# KiCad board data-center-rdimm-ddr4-tester.kicad_pcb (continued)
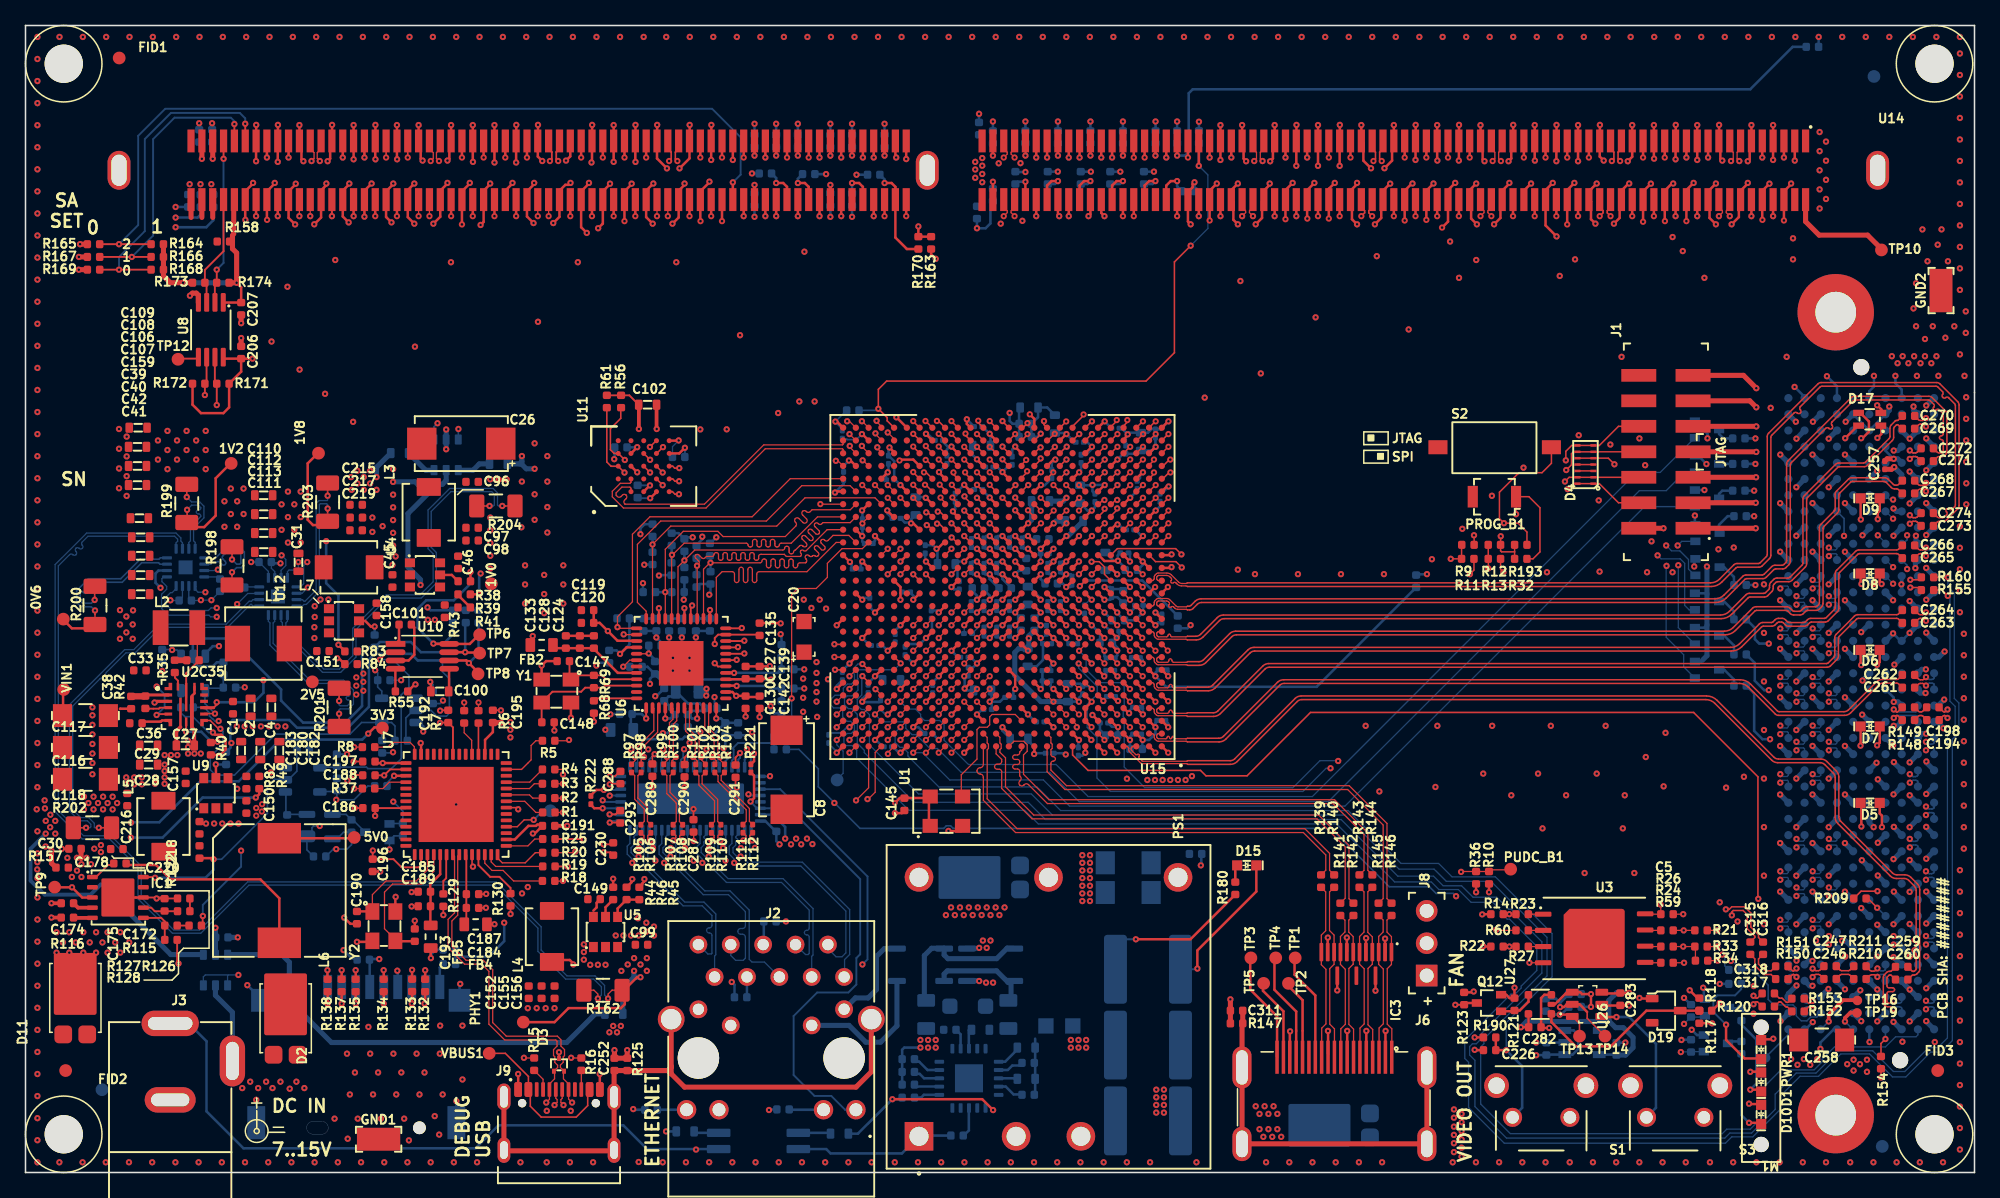
[diagram p0: board, top side]
## Routing (per net, layer and track width the routed paths; a pad name or vN(x,y) marks a point on that pad's centre or on a via; arc(x,y) is an arc through that point) (continued)
  Top w0.25: 10.29,36.95 10.3,36.97 11.2,36.97
  Top w0.3: C27.2 13.24,34.73 13.05,34.91 13.05,37.3 ; R116.1 v1(2.04,20) ; C191.2 v1(42.5,27.2) ; C102.2 49.5,58.35 ; C174.1 v1(2.04,21.13)
  Top w0.4: v1(16.92,66.64) C207.2 ; v1(12.9,68.8) 13.1,69 13.4,69 13.56,68.84 13.56,68.26 ; 145.85,55.82 146.03,56 v1(146.55,56) ; v1(94.51,13.58) C311.2 R147.1 ; R169.2 v1(4.18,70.84) ; v1(135.77,60.04) 135.26,60.55 J1.11 ; J1.1 v1(135.72,50.55) ; v1(47.2,9.6) R125.1 46.2,8.97 v1(46.2,9.6) ; J1.9 135.76,58.55 v1(135.77,58.54) ; J1.3 v1(135.72,52.55) ; J1.7 135.76,56.55 v1(135.77,56.54) ; v1(135.77,61.54) 134.76,62.55 J1.13 ; R165.2 v1(4.28,72.84) ; v1(16.92,65.48) 16.92,64.83 ; J1.5 v1(135.75,54.55) ; R167.2 v1(4.19,71.84)
  Bottom w0.1: v1(14.11,45.53) 13.54,45.53 13.34,45.73 13.34,45.99 13.31,46.02 ; 75.19,44.76 75.37,44.94 v1(75.64,44.94) ; v1(20.09,48.43) 20.42,48.09 20.42,47.63 20.05,47.26 20.05,46.66 ; v1(80.64,44.94) 80.37,44.94 80.19,44.76 ; v1(74.64,43.94) 74.37,43.94 74.19,44.12 ; v1(65.64,36.94) 65.68,36.94 ; 81.87,41.49 81.64,41.72 v1(81.64,41.94) ; 75.19,42.76 75.37,42.94 v1(75.64,42.94) ; 14.02,47.23 15.02,47.23 v1(15.09,47.3) ; 81.19,44.12 81.37,43.94 v1(81.64,43.94) ; C235.2 19.05,47.17 19.05,46.66 ; 47.41,31.8 47.39,31.82 47.39,32.78 47.53,32.91 v1(47.53,33.2) ; U16.6 49.89,31.82 49.89,32.79 50.03,32.92 v1(50.03,33.2) ; 18.34,45.45 18.32,45.43 17.43,45.43 v1(16.6,44.6) ; 83.1,44.55 83.49,44.94 v1(83.64,44.94) ; v1(49.22,25.47) 49.43,25.68 49.43,26.83 49.41,26.85 ; 79.82,41.49 79.64,41.67 v1(79.64,41.94) 79.79,41.94 80.09,42.24 ; v1(76.64,41.94) 76.37,41.94 76.19,42.12 ; 51.91,26.85 51.93,26.83 51.93,25.68 v1(51.72,25.47) ; 54.91,26.85 54.93,26.83 54.93,25.68 v1(54.72,25.47) ; v1(51.24,57.44) 50.75,56.95 C103.2 ; 76.19,44.12 76.37,43.94 v1(76.64,43.94) ; 77.19,44.76 77.37,44.94 v1(77.64,44.94) ; v1(11.37,44.9) 11.39,44.88 12.05,44.88 12.31,45.14 12.31,46.02 ; C7.2 77.69,42.94 v1(77.64,42.94) 77.37,42.94 77.19,42.76 ; v1(53.43,33.2) 53.43,31.81 U16.13 ; v1(73.64,42.94) 73.64,42.31
  Bottom w0.12: Q11.2 v1(28.55,25.35)
  Bottom w0.127: R216.2 17.17,38.05 v1(17.2,38.08) ; R212.1 21.24,26.38 22.07,26.38 ; R215.1 31.96,38.29 v1(31.75,38.5) ; v1(28.83,32.98) 28.78,32.92 R217.2 ; C233.2 22.07,25.31 22.07,26.38 ; v1(25.22,32.83) 25.22,32.83 R213.2 ; 22.07,26.38 22.47,26.78 22.47,27.05 22.61,27.19 v1(23.08,27.19) ; v1(25.25,30.75) 25.06,30.94 24.43,30.94 ; R214.1 v1(10.72,39.35) ; R124.1 28.91,26.42 Q11.2 ; v1(28.91,31.13) 28.36,30.58 C232.2 ; 13.16,36.5 14,36.5 14.43,36.07 14.43,35.83 14.65,35.61 14.68,35.61 14.86,35.42 v1(15.15,35.42) ; v1(65.61,57.94) 65.18,57.51 64.46,57.51 64.41,57.55 64.1,57.55 64.07,57.58 ; 28.59,38.63 v1(29.46,38.63)
  Bottom w0.15: v1(48.98,53.91) 48.05,53.91 ; v1(51.66,33.21) 51.59,33.14 51.59,32.56 51.41,32.38 U16.9 ; U16.53 45.84,29.58 v1(45.83,29.57) ; v1(45.83,30.46) 45.95,30.58 U16.55 ; v1(45.83,27.46) 45.95,27.58 U16.49 ; 56.82,29.57 v1(56.71,29.67) 56.81,29.58 U16.24 ; 54.24,36.42 54.05,36.61 v1(54.05,37.3) ; v1(56.6,33.22) 56.6,32.6 56.41,32.41 U16.19 ; U16.16 54.91,32.29 55.1,32.48 v1(55.1,32.77) ; 65.67,36.91 v1(65.64,36.94) ; U16.21 58.38,31.08 v1(58.4,31.1) ; v1(63.64,32.94) 63.64,33.01 63.02,33.63 63.02,33.7
  Bottom w0.2: R94.2 49.86,41.6 v1(49.49,41.98) 49.49,42.49 48.49,42.49 ; v1(44.79,39.78) 45.01,39.99 45.79,39.99 ; 53.69,42.49 52.59,42.49 v1(52.59,41.98) ; 51.49,42.49 v1(51.49,41.98) ; 50.49,42.49 v1(50.49,41.98) ; 61.94,78.34 v1(62.8,78.34) ; v1(90.34,82.47) C153.2 ; v1(88.52,78.53) 87.76,78.53 ; Q10.2 131.94,57.96 v1(131.94,57.61) ; C121.2 49.49,37.37 v1(49.4,37.37) ; Q2.2 131.45,40.1 131.55,40.2 ; v1(51.64,44.94) 51.67,44.97 R92.2 ; J5.D22 146.55,37.26 v1(146.55,36.92) ; v1(70.62,52.94) 70.56,53 C6.2 ; v1(46.18,55.97) 46.22,56.01 C105.2 ; v1(88.64,43.94) 88.79,43.79 89.14,43.79 ; 67.7,55.61 67.7,55 v1(67.64,54.94) 67.5,54.81 67.5,54.35 ; v1(79.64,44.94) 79.64,45.04 78.7,45.97 C22.2 ; R90.2 52.88,46.17 R91.2 53.74,45.44 v1(53.64,45.34) ; v1(71.64,38.94) 71.16,38.46 71.16,38.25 ; 82.09,46.76 82.09,46.84 81.99,46.94 v1(81.64,46.94) 81.39,46.94 81.19,47.14 81.19,47.14 ; v1(59.24,42.24) 59.31,42.17 R96.2 ; 68,51.33 67.6,51.73 v1(67.6,51.95) ; 75.79,36.33 75.79,36.79 v1(75.64,36.94) ; J5.C40 147.18,61.44 146.68,61.93 v1(146.68,62.51) ; v1(65.64,36.94) 65.64,37.17 66.1,37.63 ; v1(77.2,59.6) 77.2,58.97 77.43,58.75 C146.2 ; v1(87.64,47.94) 87.64,47.68 87.24,47.28 ; 78.19,49.12 78.19,49.09 78.34,48.94 v1(78.64,48.94) ; v1(83.7,53.95) 83.68,53.92 C80.2 ; v1(83.7,53.95) 83.7,53.45 83.89,53.26 ; v1(83.7,53.95) 84.65,53.95 v1(84.66,53.94) ; v1(66.64,43.94) 66.22,44.35 66.22,44.45 ; v1(57,34.55) 56.76,34.31 C140.2 C137.2 54.9,33.45 v1(54.75,33.3) ; C15.2 77.24,34.06 76.64,34.66 v1(76.64,34.94) ; v1(131.86,55.59) 131.2,56.25 Q9.2 ; 14.74,75.75 14.74,74.72 14.19,74.17 v1(11.78,74.17) ; C114.2 82.75,38.35 82.93,38.17 83.41,38.17 v1(83.64,37.94) ; Q1.2 v1(131.7,53.55) ; 65.83,49.35 65.8,49.35 65.64,49.51 v1(65.64,49.94) 65.65,49.95 65.65,50.63 ; v1(83.57,78.53) 82.81,78.53 ; v1(130.9,47.55) 130.9,48.1 130.95,48.15 ; v1(130.7,11.2) 131.12,10.78 131.65,10.78 ; v1(66.64,33.94) 66.71,33.94 67.25,33.4 67.33,33.4 ; v1(81.6,32.8) 81.5,32.9 80.66,32.9 ; 65.52,47.35 65.52,47.82 v1(65.64,47.94) ; 76.19,49.12 76.19,49.04 76.29,48.94 v1(76.64,48.94) ; 140.66,88.32 140.66,89.1 v1(140.66,89.1) ; v1(79.64,37.94) 79.78,38.08 C86.2 79.77,38.58 79.77,39.38 ; v1(89.64,38.94) 89.64,39.31 89.52,39.43 89.52,39.45 ; C165.2 v1(67.39,82.29) ; 142.09,11.23 141.84,11.23 140.8,10.2 v1(140.8,9.7) ; v1(69.64,44.94) 69.65,44.95 69.65,45.25 69.4,45.5 69.4,45.55 ; v1(86.64,39.94) 86.64,40.26 86.78,40.4 86.78,40.4 ; 63.14,75.85 v1(63.14,74.99) ; C10.2 25.91,16.8 25.6,16.8 v1(24.95,17.45) ; 77.4,55.53 77.21,55.53 v1(76.64,54.96) 76.25,55.35 75.92,55.35 ; 67.07,37.05 66.93,36.91 65.67,36.91 ; C81.2 75.7,57.9 v1(75.64,57.96) 75.07,58.53 C74.2 ; 82.59,32.71 82.91,32.71 v1(83.14,32.94) ; 86.88,34.4 86.85,34.4 86.64,34.19 v1(86.64,33.94) 86.64,33.94 C256.2 ; 69,41.25 69.22,41.47 70.17,41.47 v1(70.64,41.94) 71.11,42.41 71.11,43.4 71.05,43.45 ; v1(92.2,24.1) 92.24,24.14 92.24,24.9 ; 82.8,56.32 83.19,56.32 83.66,56.78 v1(83.66,56.94) 83.3,57.3 83.02,57.3 ; R89.2 51.69,45.55 ; v1(86.46,57.92) 85.98,58.4 85.82,58.4 ; v1(86.46,57.92) 86.31,57.77 86.31,57.03 ; v1(86.46,57.92) 86.59,58.05 C24.2 88.05,58.05 88.35,58.35 88.6,58.35 88.64,58.31 89.03,58.31 v1(89.66,58.94) ; v1(79.64,47.94) 79.63,47.95 79.63,48.45 ; C16.2 80.28,49.59 v1(79.64,48.94) ; Q4.2 131.7,42.75 131.9,42.95 ; v1(75.64,36.94) 76.44,36.94 76.78,37.28 C310.2 ; v1(75.64,36.94) 75.78,37.08 75.78,37.83 ; v1(55.4,14.95) 55.62,14.73 C221.2 ; v1(74.8,83.07) 74.8,83.07 C204.2 ; 75.19,49.76 75.19,49.76 75.36,49.94 v1(75.64,49.94) ; 75.19,47.76 75.37,47.94 v1(75.64,47.94) ; 87.2,54.27 87.43,54.5 87.43,54.71 v1(87.66,54.94) ; v1(59.15,25.75) 58.9,26 58.9,26.77 58.84,26.77 58.03,27.58 U16.28 ; v1(88.65,82.47) C154.2 ; C146.2 77.94,59.94 R66.2 ; C146.2 C18.2 ; C312.2 v1(59.65,19.7) ; 143.37,59.5 J5.E38 J5.D39 145.91,59.5 ; 74.42,53.59 74.01,53.59 v1(73.64,53.96) 72.95,53.27 72.93,53.27 ; 79.98,46.21 79.98,46.22 79.64,46.56 v1(79.64,46.94) ; R93.2 48.55,47.7 v1(48.54,47.69) ; v1(49.69,46.84) 49.72,46.87 R77.2 ; v1(84.64,45.94) 85.08,45.94 85.2,45.82 85.2,45.78 85.97,45.78 86.1,45.66 ; v1(88.66,51.94) 89,52.28 89,52.63 ; 74.19,47.12 74.19,47.06 74.31,46.94 v1(74.64,46.94) ; v1(15.17,41.3) 14.69,41.3 14.11,40.72 14.11,40.51 ; v1(52.94,34.55) 52.4,34.55 51.99,34.97 51.95,34.97 ; C144.2 77.91,47.22 v1(77.64,46.94) ; 34.05,13.5 34.05,14.75 v1(34.1,14.8) ; v1(91.7,77.7) 91.7,77.02 C211.2 ; 73.25,45.75 72.82,45.75 v1(72.64,45.94) ; 68.22,41.61 68.22,41.53 v1(67.64,40.94) 67.23,41.35 66.97,41.35 ; 30.65,35.31 30.89,35.31 31.2,35 v1(31.2,34.6) ; 139.56,11.23 139.63,11.23 v1(140.2,11.8) ; Q3.2 131.85,45.45 131.9,45.4 ; 86.33,50.42 86.18,50.42 85.75,50.85 v1(85.66,50.85) ; 77.19,49.76 77.19,49.79 77.34,49.94 v1(77.64,49.94) ; 50.93,34.97 50.84,34.97 50.35,34.47 v1(50,34.47) ; v1(86.57,36.04) 86.57,36.22 86.85,36.5 86.88,36.5 ; 131.65,13.44 131.65,14.45 v1(131.6,14.5) ; v1(146.55,56) 146.54,56 145.91,56.63 145.91,56.95 ; C167.2 v1(63.14,82.29) ; 89.42,35.47 89.42,35.43 89.64,35.21 v1(89.64,34.94) ; 74.64,74.84 v1(74.64,74.09) 75.32,74.09 75.69,74.47 75.69,76.02 C208.2 ; v1(86.64,47.94) 86.64,48.54 86.55,48.62 C300.2 ; v1(74.64,48.94) 74.36,48.94 74.23,49.07 74.2,49.07 ; C169.2 v1(58.89,82.29) ; v1(80.64,47.94) 80.36,47.94 80.19,47.76 80.19,47.76 ; v1(80.78,55.94) 80.5,55.66 80.5,55.12 ; 75.24,45.85 75.24,45.67 75.64,45.26 v1(75.64,44.94) ; 13.74,75.75 13.74,75.17 13.5,74.93 v1(11.78,74.93) ; C231.2 71.19,49.22 v1(71.47,48.94) 71.54,48.87 C23.2 ; C181.2 v1(65.19,78.29) ; R185.1 v1(92.05,82.45) ; C309.2 74.15,40.42 v1(74.64,39.94) 74.32,39.62 73.95,39.62 ; C173.2 v1(56.99,78.39) ; C281.2 125.49,10.19 v1(125.5,10.2) ; R95.2 58.72,36.03 58.45,36.3 v1(58.45,36.6) ; v1(147.8,42.34) 147.18,41.72 147.09,41.72 v1(146.5,42.3) ; 84.92,35.28 85.22,34.97 85.68,34.97 v1(85.7,34.95) 85.69,34.94 C245.2 ; v1(78.44,78.51) 77.68,78.51 ; R184.2 v1(50.25,3.22) ; 71.97,57.45 71.97,57.33 72.34,56.96 v1(72.64,56.96) 72.51,56.96 72.28,56.72 72.28,56.25 ; 18.1,3.9 v1(18.1,5.7) ; v1(80.99,82.47) C162.2 ; v1(63.5,53.36) 64.18,54.03 64.18,54.33 ; J5.J40 139.56,60.86 v1(138.77,61.64) ; 76.19,47.12 76.19,47.05 76.3,46.94 v1(76.64,46.94) 76.64,46.56 77.34,45.86 77.34,45.85 ; v1(85.64,46.94) 85.33,47.25 84.71,47.25 ; 109.12,46.94 109.92,46.94 v1(109.93,46.95) ; v1(64.64,39.94) 64.07,39.38 C87.2 ; v1(85.66,38.93) 85.41,39.18 85.41,39.4 ; v1(86.09,82.47) C160.2 ; 87.03,44.5 87.03,44.33 v1(86.64,43.94) ; v1(45.88,35.95) 45.9,35.97 C132.2 ; 81.58,52.86 v1(81.66,52.94) ; v1(130.95,51.55) 130.95,50.83 ; v1(19.25,31.4) 19.65,31.8 20.42,31.8 ; 12.76,75.76 11.78,75.76 v1(11.78,75.76) ; 29.2,14.55 29.2,15.8 v1(29.17,15.83) ; 79.82,41.49 79.82,40.22 79.31,39.71 C25.2 ; v1(78.44,82.47) C163.2 ; C170.2 v1(57.19,82.29) ; v1(80.64,34.94) 80.22,35.36 79.92,35.36 ; v1(17.4,14.7) 18.55,13.55 18.55,13.5 ; 85.79,42.47 85.79,42.14 85.26,41.61 C13.2 85.64,41.2 v1(85.64,40.94) 85.64,40.56 85.45,40.38 85.44,40.38 ; 33.8,3.9 v1(33.8,5.6) ; v1(145,62.51) 145,61.67 144.63,61.31 J5.E40 ; v1(79.64,43.94) 79.2,43.5 79.14,43.5 ; 64.84,75.85 v1(64.84,74.99) ; 120.75,10.2 119.31,10.2 C280.2 118.51,10.19 v1(118.5,10.2) ; C168.2 v1(60.59,82.29) ; v1(17.7,47.9) C235.2 ; C3.2 v1(68.64,37.94) ; J5.G40 142.09,61.69 v1(141.31,62.48) ; v1(75.89,82.47) C164.2 ; C199.2 v1(14.64,82.33) ; 144.63,11.23 144.63,10.25 v1(144.65,10.24) ; C200.2 v1(13.63,82.33) ; 70.53,34.44 70.53,34.45 70.04,34.94 v1(69.64,34.94) ; v1(85.7,37) 85.7,37.12 85.47,37.35 ; 133.62,14.8 v1(132.9,14.8) ; v1(83.54,82.47) C161.2 ; C166.2 v1(64.84,82.29) ; v1(80.98,78.53) 80.22,78.53 ; 57.19,75.85 v1(57.19,74.99) ; v1(85.88,78.53) 85.12,78.53
  Bottom w0.3: J5.C28 147.18,46.12 v1(147.15,46.15) 147.18,46.17 147.18,46.8
  Bottom w0.4: v1(140.18,48.71) 140.82,48.06 ; v1(149.1,14.46) 149.69,15.05 J5.A4 ; 147.18,51.88 146.76,51.88 v1(146.53,52.1) ; v1(147.8,22.02) 148.44,22.67 ; v1(137.64,44.9) 138.28,44.25 ; v1(138.91,19.48) J5.J8 ; v1(147.8,44.84) 148.38,44.25 148.44,44.25 ; J5.C5 147.12,16.31 v1(146.53,16.9) ; 138.28,17.58 138.93,16.94 v1(138.93,16.62) ; J5.E5 v1(145.26,16.94) 145.91,17.58 ; J5.E14 144.63,27.44 v1(144.97,27.1) ; J5.A5 149.1,16.93 v1(149.1,16.96) ; 147.18,21.39 146.56,22.01 v1(146.56,22.04) ; 148.44,23.94 148.38,23.94 v1(147.8,24.52) ; v1(140.18,33.47) 140.82,32.83 ; v1(145.26,11.86) J5.D2 ; v1(142.72,25.85) 143.37,25.2 ; v1(141.45,34.72) J5.G20 ; 148.44,48.06 148.25,47.87 v1(148.25,47.42) ; v1(138.91,53.77) 139.56,54.42 ; v1(148.1,60.1) 148.1,59.84 148.44,59.5 ; v1(146.56,27.12) 146.56,27.09 147.18,26.47 ; v1(140.45,18.2) 140.45,17.96 140.82,17.58 ; v1(142.72,41.09) 143.37,40.44 ; 131.55,40.2 131.9,40.55 v1(131.9,47.55) ; v1(144.97,46.17) 144.63,46.52 144.63,46.8 ; 149.71,31.56 149.11,32.16 v1(149.11,32.25) ; J5.C38 147.18,58.2 v1(147.8,57.58) 148.44,58.22 ; v1(141.45,53.77) 142.09,54.42 ; 148.44,39.17 148.75,39.48 v1(149.07,39.48) ; J5.A8 149.69,20.12 v1(149.1,19.54) ; J5.A28 149.69,45.53 v1(149.1,44.94) ; v1(138.91,49.96) J5.J32 ; v1(141.45,19.48) J5.G8 ; v1(149.1,22.04) 149.1,22.01 149.71,21.39 ; v1(145.3,25.88) 145.9,26.47 145.91,26.47 ; v1(146.56,32.2) 146.56,32.17 147.18,31.56 ; v1(147.8,32.18) 148.44,32.83 ; 147.18,11.23 147.12,11.23 v1(146.53,11.82) ; v1(138.91,27.1) J5.J14 ; 148.44,54.42 148.38,54.42 v1(147.8,55) ; v1(147.8,19.5) 148.44,18.86 ; J5.E11 144.62,23.94 v1(144.05,24.5) ; v1(145.3,30.85) 145.87,30.28 J5.D16 ; v1(138.93,14.67) 138.28,14.03 138.28,13.78 ; v1(146.53,19.48) J5.C8 ; 149.71,36.64 150.03,36.64 v1(150.51,37.11) ; v1(33,56.75) v1(33,58.3) ; v1(146.5,42.3) 145.91,41.72 145.91,41.72 ; 149.71,11.23 149.1,11.85 v1(149.1,11.88) ; v1(137.64,41.09) 138.28,40.44 ; 149.71,26.47 149.1,27.09 v1(149.1,27.12) ; 145.91,13.78 145.84,13.78 v1(145.26,14.36) 144.63,14.98 J5.E4 ; v1(146.5,44.9) 145.91,45.5 J5.D28 ; v1(137.67,11.88) 138.28,12.5 138.28,12.5 ; v1(145.2,32.15) 144.63,31.58 144.63,31.56 ; 137.64,56.33 138.28,55.69 ; v1(142.72,37.28) 143.37,36.64 ; v1(137.64,29.66) 138.28,29.02 ; J5.C36 146.86,56 v1(146.55,56) ; J5.A12 149.69,25.2 v1(149.1,24.62) ; v1(147.8,27.1) 148.44,27.75 ; v1(145.3,23.3) 145.91,22.69 J5.D10 ; v1(149.1,42.36) 149.1,42.33 149.71,41.72 ; v1(137.64,22.04) 138.28,21.39 ; v1(141.45,30.91) 142.09,31.56 ; J5.A16 149.69,30.28 v1(149.1,29.7) ; v1(147.8,29.6) 148.38,29.02 148.44,29.02 ; v1(142.72,52.52) 143.37,51.88 ; v1(146.55,36.92) 146.88,36.92 147.18,36.64 ; v1(138.91,34.72) J5.J20 ; v1(138.91,38.53) 139.56,39.17 ; v1(142.72,33.47) 143.37,32.83 ; J5.C20 146.86,35.05 v1(146.55,35.05) ; C284.2 30.56,54.2 28.85,54.2 v1(28.84,54.19) ; v1(144,20.75) 144.62,20.12 J5.E8 ; v1(149.1,55.1) 149.69,55.69 J5.A36 ; v1(140.18,22.04) 140.82,21.39 ; v1(147.8,42.34) 148.44,42.98 ; 138.28,59.5 v1(138.87,58.91) ; R64.2 81.4,52.68 v1(81.66,52.94) ; 143.37,59.5 v1(142.78,58.91) ; v1(137.64,48.71) 138.28,48.06 ; J5.C16 146.56,29.67 v1(146.53,29.67) ; J5.A40 149.69,60.77 v1(149.1,60.18) ; v1(140.18,14.65) 139.95,14.65 J5.J4 ; J5.C24 147.18,40.42 v1(146.6,39.85) ; v1(141.45,42.34) J5.G26 ; v1(144.1,50) 144.63,50.54 J5.E32 ; J5.C12 146.56,24.59 v1(146.53,24.59) ; v1(145.26,19.44) 145.84,18.86 J5.D7 ; v1(149.1,57.6) 149.1,57.57 149.71,56.95 ; v1(150.45,34.86) 149.94,35.36 J5.A20 ; v1(145.25,55.05) 144.63,54.44 144.63,54.42 ; J5.J5 139.84,16.6 v1(140.18,16.6) ; v1(141.45,49.96) J5.G32 ; v1(149.09,34.43) 148.78,34.43 148.44,34.09 ; v1(146.53,49.96) J5.C32 ; v1(142.72,29.66) 143.37,29.02 ; v1(142.72,22.04) 143.37,21.39 ; 138.91,57.58 J5.J38 ; v1(144.1,38.6) 144.63,39.14 144.63,39.17 ; v1(144,42.4) 144.59,42.98 J5.E26 ; v1(137.64,37.28) 138.28,36.64 ; v1(141.45,57.58) J5.G38 ; v1(149.1,52.52) 149.1,52.49 149.71,51.88 ; v1(140.18,29.66) 140.82,29.02 ; J5.G4 142.09,15 v1(142.72,14.38) ; v1(138.91,30.91) 139.56,31.56 ; v1(141.45,46.15) 142.09,46.8 ; v1(140.18,25.85) 140.82,25.2 ; J5.D19 145.93,34.09 v1(146.5,33.53) ; v1(140.21,58.91) 140.79,59.5 140.82,59.5 ; v1(149.1,50.02) 149.69,50.61 J5.A32 ; J5.E20 v1(144.07,35.92) ; v1(140.18,44.9) 140.82,44.25 ; v1(137.64,25.85) 138.28,25.2 ; v1(147.8,11.86) 148.44,12.5 ; v1(142.72,48.71) 143.37,48.06 ; v1(148.29,49.96) 148.29,49.49 148.44,49.33 ; 143.37,17.58 142.77,18.18 v1(142.5,18.18) ; C285.2 v1(16.65,18.45) ; v1(138.91,23.29) J5.J11 ; 148.44,37.91 148.44,37.81 148.63,37.62 v1(149.04,37.62) ; 142.12,16.31 v1(142.75,16.94) ; 148.44,13.78 148.38,13.78 v1(147.8,14.36) 147.18,14.98 J5.C4 ; v1(140.18,52.52) 140.82,51.88 ; v1(140.18,41.09) 140.82,40.44 ; J5.A24 150.11,40.44 v1(150.54,40.88) ; v1(144,11.88) 143.37,12.5 143.37,12.5 ; v1(142.72,56.33) 143.37,55.69 ; v1(141.43,14.4) 140.82,13.8 140.82,13.78 ; v1(146.2,60.1) 146.2,59.8 145.91,59.5 ; 143.37,13.78 143.4,13.78 v1(143.93,14.3) ; v1(149.1,47.44) 149.1,47.41 149.71,46.8 ; v1(147.8,52.5) 148.44,53.14 ; v1(140.18,56.33) 140.82,55.69 ; v1(138.91,42.34) J5.J26 ; v1(147.8,16.94) 148.44,17.58 ; v1(138.91,46.15) 139.56,46.8 ; v1(140.18,37.28) 140.82,36.64 ; v1(137.64,33.47) 138.28,32.83 ; v1(137.64,52.52) 138.28,51.88 ; v1(141.45,27.1) J5.G14 ; v1(142.72,44.9) 143.37,44.25 ; 14.9,14.7 14.9,13.9 16.23,12.57 16.23,8.75 ; v1(141.45,23.29) J5.G11 ; v1(141.45,38.53) 142.09,39.17
  vias: v1(0.94,89.1) v1(0.94,87.37) v1(0.94,85.64) v1(0.94,83.91) v1(0.94,82.18) v1(0.94,80.45) v1(0.94,78.71) v1(0.94,76.98) v1(0.94,75.25) v1(0.94,73.52) v1(0.94,71.79) v1(0.94,70.06) v1(0.94,68.33) v1(0.94,66.6) v1(0.94,64.86) v1(0.94,63.13) v1(0.94,61.4) v1(0.94,59.67) v1(0.94,57.94) v1(0.94,56.21) v1(0.94,54.48) v1(0.94,52.74) v1(0.94,51.01) v1(0.94,49.28) v1(0.94,47.55) v1(0.94,45.82) v1(0.94,44.09) v1(0.94,42.36) v1(0.94,40.62) v1(0.94,38.89) v1(0.94,37.16) v1(0.94,35.43) v1(0.94,33.7) v1(0.94,31.97) v1(0.94,30.24) v1(0.88,28.5) v1(0.94,26.77) v1(0.94,25.04) v1(0.94,23.11) v1(0.94,21.58) v1(0.94,19.85) v1(0.94,18.12) v1(0.94,16.39) v1(0.94,14.65) v1(0.94,12.92) v1(0.94,11.19) v1(0.94,9.46) v1(0.94,7.73) v1(0.94,6) v1(0.94,4.27) v1(0.94,2.53) v1(0.94,0.8) v1(2.67,89.1) v1(2.66,0.8) v1(4.5,89.1) v1(4.48,0.8) v1(5.25,36.5) v1(5.25,35.88) v1(5.25,35.12) v1(5.25,34.38) v1(5.25,33.62) v1(5.25,32.88) v1(5.25,32.12) v1(5.25,31.25) v1(5.4,25.41) v1(5.92,25.69) v1(5.92,25.14) v1(6.33,89.1) v1(6.3,0.8) v1(7.34,58.34) v1(7.34,56.79) v1(7.34,55.24) v1(7.34,53.69) v1(7.41,44.13) v1(7.41,43) v1(7.41,41.88) v1(7.94,57.74) v1(7.94,56.19) v1(7.94,54.64) v1(7.94,53.09) v1(7.91,43.63) v1(7.91,42.38) v1(7.9,31) v1(7.9,30.46) v1(8.12,0.8) v1(8.16,89.1) v1(8.44,44.11) v1(8.41,43) v1(8.41,41.88) v1(8.53,31) v1(8.53,30.46) v1(9.12,31) v1(9.12,30.46) v1(9.94,0.8) v1(9.99,89.1) v1(10.12,36.88) v1(11.82,89.1) v1(11.76,0.8) v1(12.75,33.88) v1(12.75,33.38) v1(12.75,32.88) v1(13.25,32.88) v1(13.65,89.1) v1(13.58,0.8) v1(13.75,32.88) v1(14.16,27.38) v1(14.8,27.38) v1(15.44,27.38) v1(15.4,0.8) v1(15.48,89.1) v1(16.08,27.38) v1(16.58,35) v1(16.61,30.11) v1(16.71,27.38) v1(17,6.62) v1(17.19,35) v1(17.22,0.8) v1(17.31,89.1) v1(17.62,7.12) v1(17.83,35) v1(18.25,6.62) v1(18.47,35) v1(18.88,7.12) v1(19.04,0.8) v1(19.14,89.1) v1(19.1,35) v1(19.3,65.2) v1(19.38,6.62) v1(19.78,35) v1(20,7.12) v1(20.09,52.43) v1(20.09,50.43) v1(20.38,35) v1(20.55,69.5) v1(20.59,53.43) v1(20.59,51.43) v1(20.59,49.43) v1(20.72,6.57) v1(20.86,0.8) v1(20.97,89.1) v1(21.09,52.43) v1(21.09,50.43) v1(21.25,7.12) v1(21.5,63) v1(21.59,53.43) v1(21.59,51.43) v1(21.59,49.43) v1(21.88,6.62) v1(22.69,44.44) v1(22.69,43.59) v1(22.66,42.79) v1(22.66,41.94) v1(22.68,0.8) v1(22.8,89.1) v1(23.14,44.96) v1(23.5,61.1) v1(23.76,44.96) v1(24.24,4.22) v1(24.3,71.6) v1(24.5,0.8) v1(24.63,89.1) v1(25.22,9.33) v1(25.28,2.65) v1(25.44,6.12) v1(25.7,58.9) v1(25.74,31.18) v1(25.84,7.85) v1(26.06,4.22) v1(26.32,0.8) v1(26.46,89.1) v1(26.9,11.42) v1(27.04,9.33) v1(27.21,51.39) v1(27.21,50.26) v1(27.26,6.12) v1(27.66,7.85) v1(27.88,4.22) v1(28.01,50.71) v1(28.14,0.8) v1(28.29,89.1) v1(28.84,55.19) v1(28.84,53.19) v1(28.84,52.19) v1(28.84,51.19) v1(28.84,50.19) v1(28.84,49.19) v1(28.79,47.66) v1(28.86,9.33) v1(29.04,48.34) v1(29.08,6.12) v1(29.48,7.85) v1(29.7,4.22) v1(29.96,0.8) v1(30.12,89.1) v1(30.07,2.53) v1(30.55,64.8) v1(30.68,9.33) v1(30.9,6.12) v1(31.3,7.85) v1(31.56,43.36) v1(31.78,0.8) v1(31.95,89.1) v1(32.11,43.36) v1(32.1,4.43) v1(32.45,2.97) v1(32.53,11.53) v1(32.5,9.33) v1(32.72,6.12) v1(33.38,71.42) v1(33.6,0.8) v1(33.79,89.1) v1(33.78,28.88) v1(34.28,11.53) v1(34.28,7.3) v1(35.42,0.8) v1(35.62,89.1) v1(36.46,54.39) v1(36.46,51.39) v1(36.46,50.39) v1(36.46,49.39) v1(36.46,48.39) v1(36.46,47.39) v1(37.12,54.38) v1(37.45,89.1) v1(37.75,54.38) v1(38.82,0.8) v1(39.19,47.64) v1(39.19,46.14) v1(39.19,44.64) v1(39.28,89.1) v1(39.4,22.4) v1(39.4,12.9) v1(40.1,12.9) v1(40.2,66.75) v1(40.69,46.89) v1(40.69,45.39) v1(40.69,43.89) v1(40.8,12.9) v1(40.89,4.84) v1(40.88,0.8) v1(41.11,89.1) v1(41.5,12.9) v1(42.19,47.64) v1(42.19,46.14) v1(42.19,44.64) v1(42.7,0.8) v1(42.77,4.84) v1(42.94,89.1) v1(43.32,71.42) v1(43.8,17.9) v1(43.8,17.3) v1(43.8,16.7) v1(44.3,16.3) v1(44.52,0.8) v1(44.79,89.1) v1(44.9,16.3) v1(45.5,16.3) v1(46.64,89.1) v1(47.99,54.94) v1(48.11,25.46) v1(48.1,0.82) v1(48.49,89.1) v1(48.7,19.6) v1(48.7,18.9) v1(48.85,33.2) v1(49.3,19.3) v1(49.3,18.6) v1(49.41,24.47) v1(49.99,0.8) v1(50.26,89.1) v1(50.61,25.46) v1(50.79,40.38) v1(50.79,39.38) v1(51.05,71.42) v1(51.81,0.8) v1(52.11,89.1) v1(52.09,40.38) v1(52.09,39.38) v1(52.41,24.47) v1(52.93,58.31) v1(53.61,25.46) v1(53.63,0.8) v1(53.95,89.1) v1(54.91,24.47) v1(55,58.31) v1(55.45,0.8) v1(55.8,89.1) v1(56.05,65.7) v1(56.11,25.46) v1(57.22,25.47) v1(57.27,0.8) v1(57.64,89.1) v1(59.04,59.59) v1(59.09,0.8) v1(59.49,89.1) v1(60.05,25.75) v1(60.45,26.2) v1(60.7,60.5) v1(60.85,25.75) v1(60.91,0.8) v1(61.1,72.25) v1(61.05,44.95) v1(61.34,89.1) v1(61.3,26.2) v1(61.65,44.3) v1(61.73,25.77) v1(61.9,60.5) v1(62.3,44.95) v1(62.73,0.8) v1(62.8,44.25) v1(63.18,89.1) v1(64.55,0.8) v1(65.03,89.1) v1(66.37,0.8) v1(66.88,89.1) v1(68.19,0.8) v1(68.72,89.1) v1(70.01,0.8) v1(70.57,89.1) v1(71.83,0.8) v1(72.41,89.1) v1(73.65,0.8) v1(74.26,89.1) v1(75.47,0.8) v1(76.11,89.1) v1(76.34,79.19) v1(76.5,74.45) v1(77.29,0.8) v1(77.95,89.1) v1(78.05,79.2) v1(78.2,74.67) v1(79.11,0.8) v1(79.8,89.1) v1(80.93,0.8) v1(81.64,89.1) v1(82.75,0.8) v1(82.9,24.9) v1(82.9,24.3) v1(82.9,23.7) v1(82.9,23.1) v1(82.9,22.5) v1(82.9,21.9) v1(82.9,21.3) v1(83.49,89.1) v1(83.5,24.9) v1(83.5,24.3) v1(83.5,23.7) v1(83.5,23.1) v1(83.5,22.5) v1(83.5,21.9) v1(83.5,21.3) v1(84.57,0.8) v1(85.34,89.1) v1(86.4,30.9) v1(86.39,0.8) v1(87.18,89.1) v1(88.21,0.8) v1(89.03,89.1) v1(90.87,89.1) v1(91.85,0.8) v1(92.5,60.8) v1(92.72,89.1) v1(94.57,89.1) v1(95.1,47.3) v1(95.3,69.95) v1(96.41,89.1) v1(96.44,46.95) v1(96.9,62.7) v1(97.31,0.8) v1(98.26,89.1) v1(99.13,0.8) v1(99.81,46.95) v1(100.11,89.1) v1(100.95,0.8) v1(101.2,67.1) v1(101.95,89.1) v1(102.78,0.8) v1(103.19,46.95) v1(103.8,89.1) v1(104.6,0.8) v1(105.12,35.05) v1(105.64,89.1) v1(106,71.9) v1(106.2,29.9) v1(106.42,0.8) v1(106.56,46.95) v1(107.49,89.1) v1(108.5,66.15) v1(109.34,89.1) v1(110.32,48.12) v1(110.6,30.25) v1(110.75,35.05) v1(111.16,89.1) v1(111.75,73.05) v1(111.95,0.8) v1(112.45,70.2) v1(112.71,50.51) v1(113.01,89.1) v1(113.8,71.6) v1(113.78,0.8) v1(114.35,31.3) v1(114.86,89.1) v1(115.03,53.1) v1(115.05,35.05) v1(115.6,0.8) v1(116.55,29.6) v1(116.7,89.1) v1(117.42,0.8) v1(117.51,55.31) v1(118.55,89.1) v1(118.65,31.3) v1(119,27) v1(119.24,0.8) v1(119.35,47.1) v1(119.65,35.05) v1(120.35,70.35) v1(120.39,89.1) v1(120.85,29.6) v1(121.13,0.8) v1(121.55,71.65) v1(121.84,57.85) v1(122.24,89.1) v1(122.3,23.5) v1(122.95,0.8) v1(123.25,31.3) v1(123.41,52.74) v1(123.47,47.15) v1(123.95,35.05) v1(124.09,89.1) v1(124.32,57.12) v1(124.78,0.8) v1(125.2,64) v1(125.3,27) v1(125.45,29.6) v1(125.91,89.1) v1(126.2,23.5) v1(126.6,57.6) v1(126.6,0.8) v1(127.05,55.5) v1(127.1,32.6) v1(127.2,47.1) v1(127.55,49.53) v1(127.76,89.1) v1(128.42,0.8) v1(128.5,30.3) v1(128.65,34.5) v1(129.2,73.4) v1(129.2,47.1) v1(129.61,89.1) v1(130,72.3) v1(130.24,0.8) v1(131.45,89.1) v1(131.7,70.2) v1(132.13,0.8) v1(132.8,48.9) v1(132.9,21.2) v1(133.3,89.1) v1(133.4,30.2) v1(134,49.04) v1(133.95,0.8) v1(134.3,19.7) v1(134.8,31.05) v1(135.14,89.1) v1(135.57,14.63) v1(135.55,12.46) v1(135.78,0.8) v1(136.37,46.15) v1(136.37,42.34) v1(136.37,38.53) v1(136.37,34.72) v1(136.37,30.91) v1(136.37,27.1) v1(136.37,23.29) v1(136.37,19.48) v1(136.9,60) v1(136.99,89.1) v1(137.6,0.8) v1(137.65,56.33) v1(138.15,64) v1(138.5,8.9) v1(138.65,73.3) v1(138.65,71.65) v1(138.84,89.1) v1(138.92,57.58) v1(139,8.45) v1(139.42,0.8) v1(139.5,8.9) v1(140,8.45) v1(140.55,8.9) v1(141.24,0.8) v1(142.51,89.1) v1(143.13,0.8) v1(144.36,89.1) v1(144.95,0.8) v1(146.2,89.1) v1(146.78,0.8) v1(147.23,10.26) v1(148.05,89.1) v1(148.1,67.8) v1(148.3,69.77) v1(148.3,66.4) v1(148.37,62.51) v1(148.6,0.8) v1(148.8,74) v1(149,65.4) v1(149.2,71.5) v1(149.61,66.4) v1(149.77,10.24) v1(149.89,89.1) v1(150,72.8) v1(150.05,62.51) v1(150.3,74) v1(150.42,0.8) v1(150.6,65.5) v1(150.8,71.5) v1(151.3,66.4) v1(151.74,89.1) v1(151.74,87.8) v1(151.74,86.12) v1(151.74,84.43) v1(151.74,82.74) v1(151.74,81.06) v1(151.74,79.37) v1(151.74,77.69) v1(151.74,76) v1(151.74,74.31) v1(151.74,72.63) v1(151.74,70.94) v1(151.74,69.25) v1(151.74,64.2) v1(151.74,50.7) v1(151.74,49.02) v1(151.74,47.33) v1(151.74,45.65) v1(151.74,43.96) v1(151.74,23.72) v1(151.74,22.04) v1(151.74,20.35) v1(151.74,18.67) v1(151.74,16.98) v1(151.74,15.29) v1(151.74,13.61) v1(151.74,11.92) v1(151.74,10.23) v1(151.74,8.55) v1(151.74,6.86) v1(151.74,5.18) v1(151.74,3.49) v1(151.74,1.8) v1(152.1,62.51) v1(152.05,42.27) v1(152.05,40.59) v1(152.05,38.9) v1(152.05,37.21) v1(152.05,35.53) v1(152.05,33.84) v1(152.05,32.16) v1(152.05,30.47) v1(152.05,28.78) v1(152.05,27.1) v1(152.05,25.41) v1(152.2,67.57) v1(152.2,65.88) v1(152.23,60.83) v1(152.23,59.14) v1(152.23,57.45) v1(152.23,55.76) v1(152.24,54.08) v1(152.24,52.43) v2(83.62,34.95)
